# Altium PCB SVPX_FMC_6U_SOM.PcbDoc (part 8 of 9) (continued)
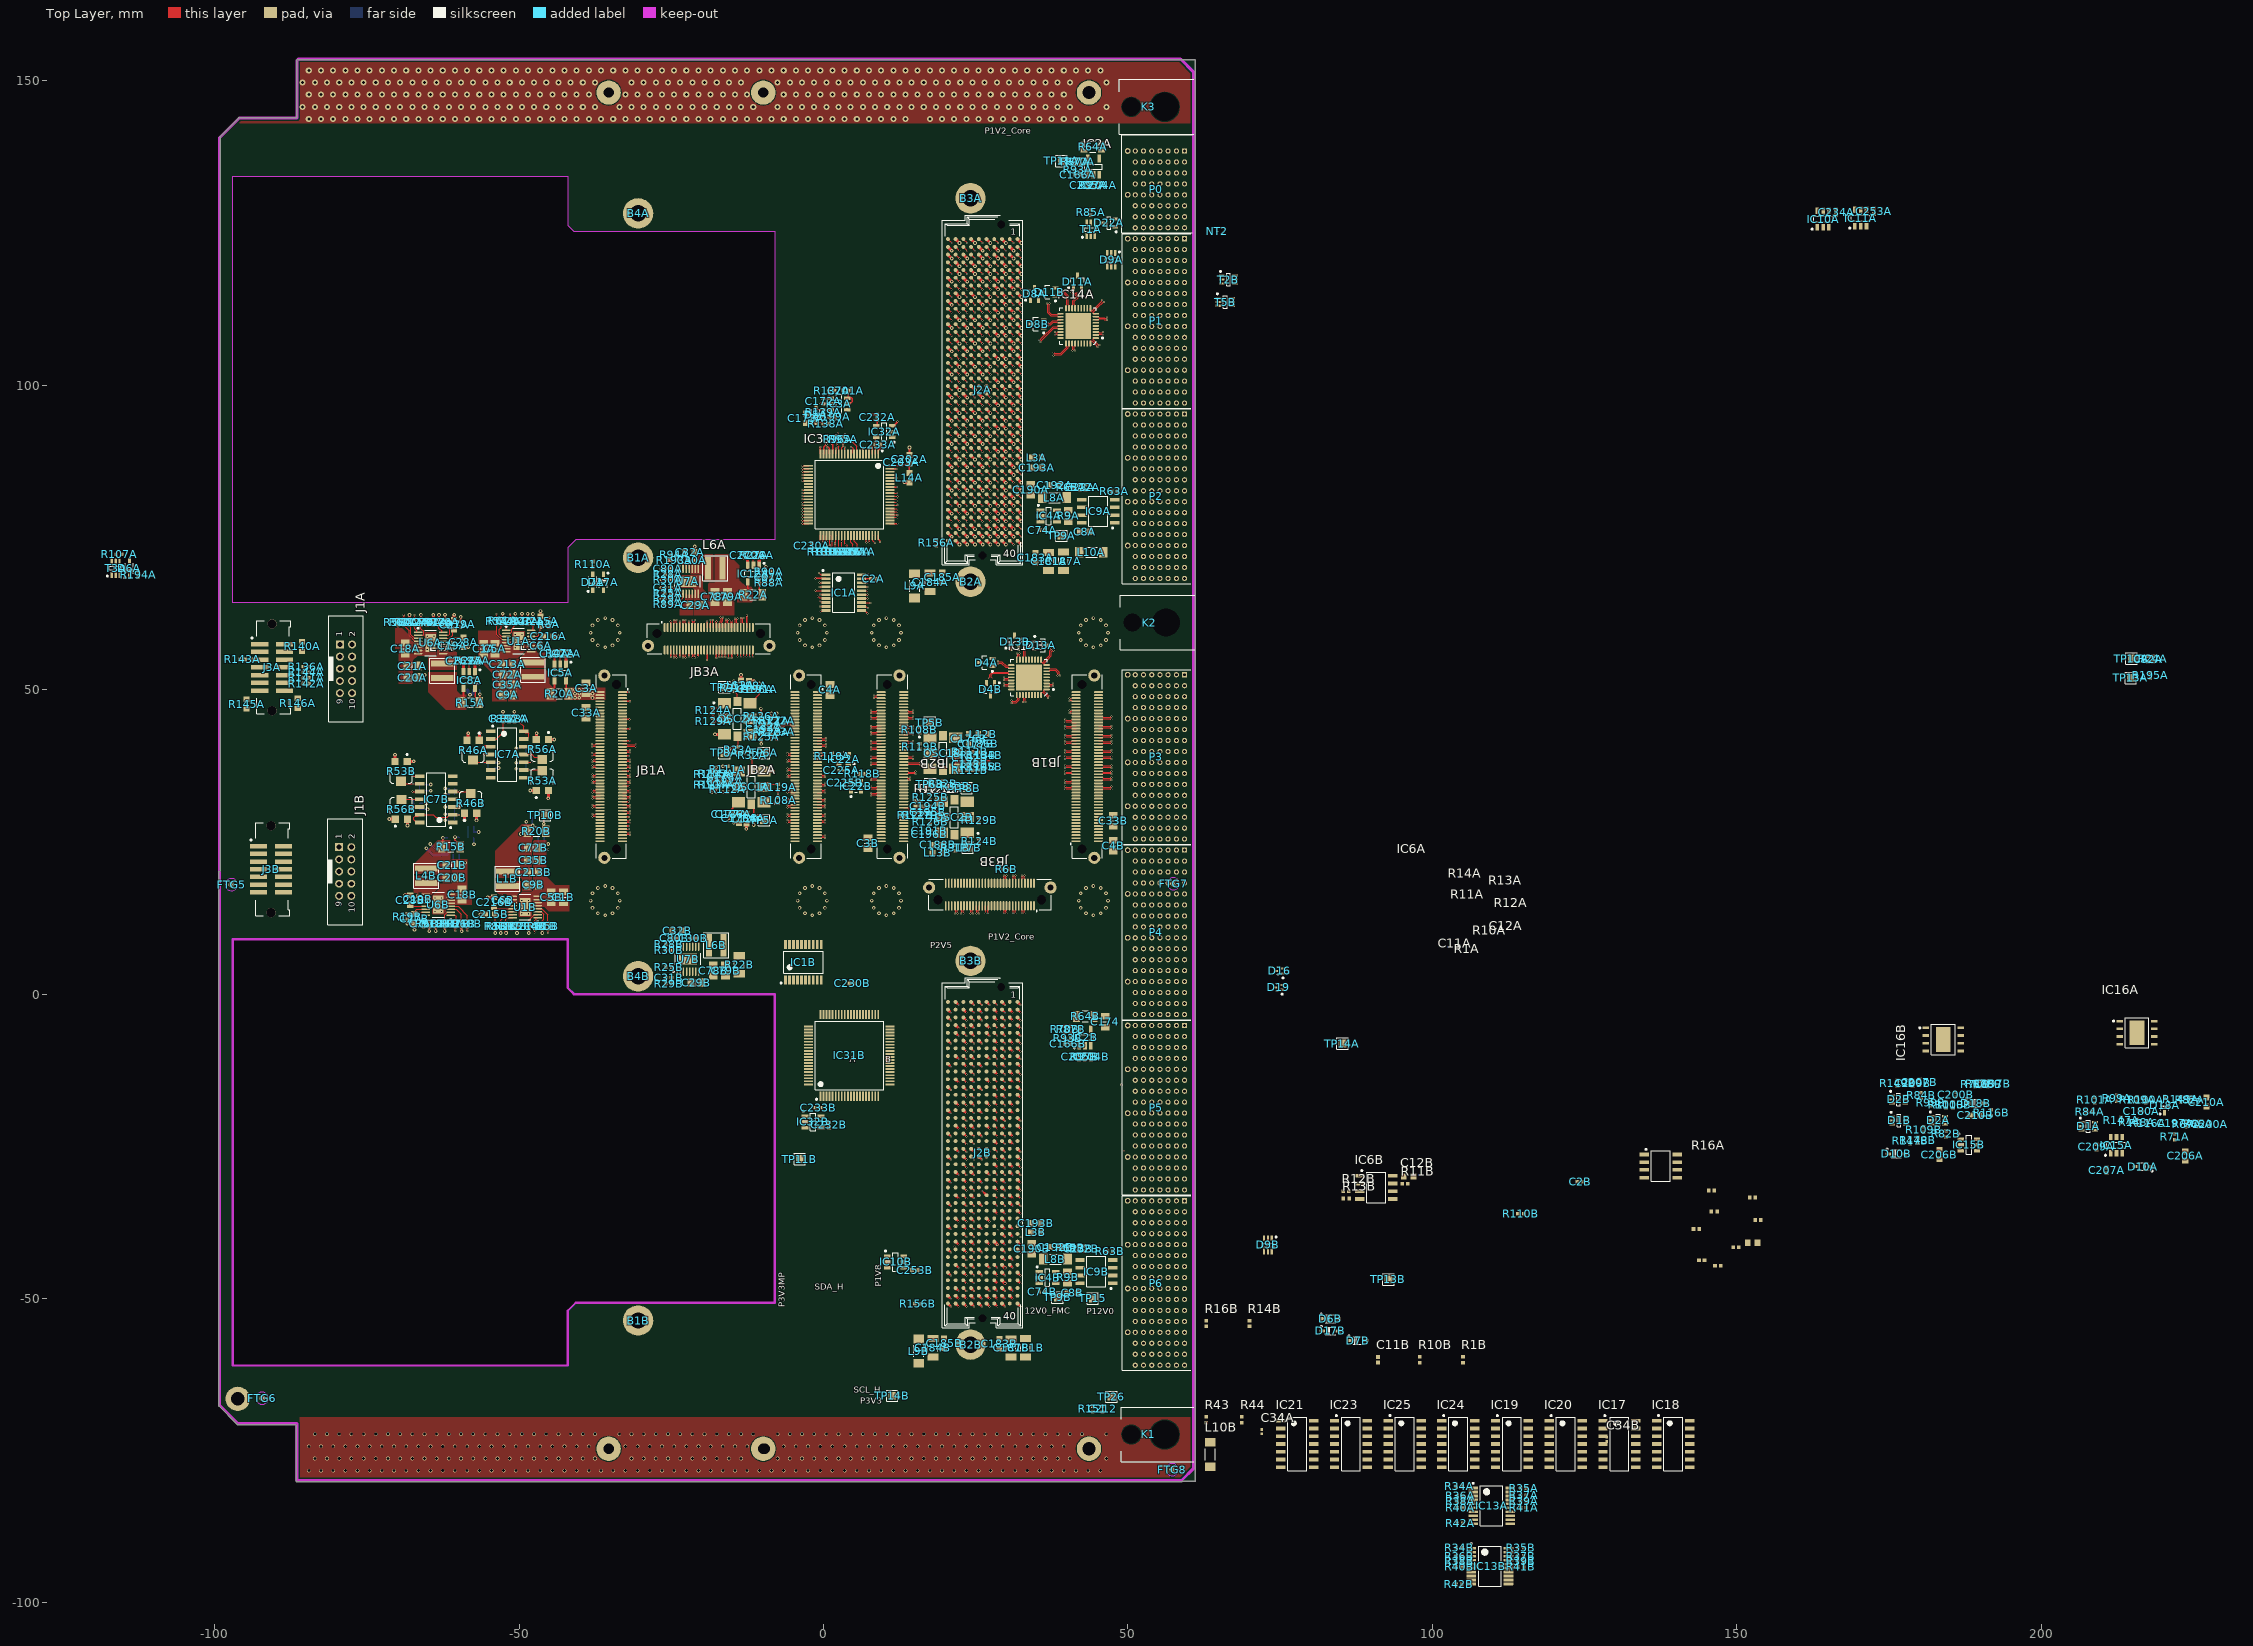
[diagram p0: Top Layer view]
## Nets (pads, with @x,y where several pads share a name; then routed paths per layer and width w, separated by ;. In a path a pad name is that pad's centre, name@x,y a point inside that pad or via, vN(x,y) a via of type N, cw(c..) or ccw(c..) an arc to the next point about the centre after c; other vN are vias at no path point) (continued)
  other v5: -84.535,-78.283 -82.535,-78.283 -80.535,-78.283 -78.535,-78.283 -76.535,-78.283 -74.535,-78.283 -72.535,-78.283 -70.535,-78.283 -68.535,-78.283 -66.535,-78.283 -64.535,-78.283 -62.535,-78.283 -60.535,-78.283 -58.535,-78.283 -56.535,-78.283 -54.535,-78.283 -52.535,-78.283 -50.535,-78.283 -48.535,-78.283 -46.534,-78.283 -44.534,-78.283 -42.534,-78.283 -40.534,-78.283 -38.534,-78.283 -36.534,-78.283 -34.534,-78.283 -32.534,-78.283 -30.534,-78.283 -28.534,-78.283 -26.534,-78.283 -24.534,-78.283 -22.534,-78.283 -20.534,-78.283 -18.534,-78.283 -16.534,-78.283 -14.534,-78.283 -12.534,-78.283 -10.534,-78.283 -8.534,-78.283 -6.534,-78.283 -4.534,-78.283 -2.534,-78.283 -0.534,-78.283 1.466,-78.283 3.466,-78.283 5.466,-78.283 7.466,-78.283 9.466,-78.283 11.466,-78.283 13.466,-78.283 15.466,-78.283 17.466,-78.283 19.466,-78.283 21.466,-78.283 23.466,-78.283 25.466,-78.283 27.466,-78.283 29.466,-78.283 31.466,-78.283 33.466,-78.283 35.466,-78.283 37.466,-78.283 39.466,-78.283 41.466,-78.283 43.466,-78.283 45.466,-78.283 -83.535,-76.283 -81.535,-76.283 -79.535,-76.283 -77.535,-76.283 -75.535,-76.283 -73.535,-76.283 -71.535,-76.283 -69.535,-76.283 -67.535,-76.283 -65.535,-76.283 -63.535,-76.283 -61.535,-76.283 -59.535,-76.283 -57.535,-76.283 -55.535,-76.283 -53.535,-76.283 -51.535,-76.283 -49.535,-76.283 -47.534,-76.283 -45.534,-76.283 -43.534,-76.283 -41.534,-76.283 -39.534,-76.283 -37.534,-76.283 -31.534,-76.283 -29.534,-76.283 -27.534,-76.283 -25.534,-76.283 -23.534,-76.283 -21.534,-76.283 -19.534,-76.283 -17.534,-76.283 -15.534,-76.283 -13.534,-76.283 -7.534,-76.283 -5.534,-76.283 -3.534,-76.283 -1.534,-76.283 0.466,-76.283 2.466,-76.283 4.466,-76.283 6.466,-76.283 8.466,-76.283 10.466,-76.283 12.466,-76.283 14.466,-76.283 16.466,-76.283 18.466,-76.283 20.466,-76.283 22.466,-76.283 24.466,-76.283 26.466,-76.283 28.466,-76.283 30.466,-76.283 32.466,-76.283 34.466,-76.283 36.466,-76.283 38.466,-76.283 40.466,-76.283 46.466,-76.283 -84.535,-74.283 -82.535,-74.283 -80.535,-74.283 -78.535,-74.283 -76.535,-74.283 -74.535,-74.283 -72.535,-74.283 -70.535,-74.283 -68.535,-74.283 -66.535,-74.283 -64.535,-74.283 -62.535,-74.283 -60.535,-74.283 -58.535,-74.283 -56.535,-74.283 -54.535,-74.283 -52.535,-74.283 -50.535,-74.283 -48.535,-74.283 -46.534,-74.283 -44.534,-74.283 -42.534,-74.283 -40.534,-74.283 -38.534,-74.283 -32.534,-74.283 -30.534,-74.283 -28.534,-74.283 -26.534,-74.283 -24.534,-74.283 -22.534,-74.283 -20.534,-74.283 -18.534,-74.283 -16.534,-74.283 -14.534,-74.283 -12.534,-74.283 -6.534,-74.283 -4.534,-74.283 -2.534,-74.283 -0.534,-74.283 1.466,-74.283 3.466,-74.283 5.466,-74.283 7.466,-74.283 9.466,-74.283 11.466,-74.283 13.466,-74.283 15.466,-74.283 17.466,-74.283 19.466,-74.283 21.466,-74.283 23.466,-74.283 25.466,-74.283 27.466,-74.283 29.466,-74.283 31.466,-74.283 33.466,-74.283 35.466,-74.283 37.466,-74.283 39.466,-74.283 -83.535,-72.283 -81.535,-72.283 -79.535,-72.283 -77.535,-72.283 -75.535,-72.283 -73.535,-72.283 -71.535,-72.283 -69.535,-72.283 -67.535,-72.283 -65.535,-72.283 -63.535,-72.283 -61.535,-72.283 -59.535,-72.283 -57.535,-72.283 -55.535,-72.283 -53.535,-72.283 -51.535,-72.283 -49.535,-72.283 -47.534,-72.283 -45.534,-72.283 -43.534,-72.283 -41.534,-72.283 -39.534,-72.283 -37.534,-72.283 -33.534,-72.283 -31.534,-72.283 -29.534,-72.283 -27.534,-72.283 -25.534,-72.283 -23.534,-72.283 -21.534,-72.283 -19.534,-72.283 -17.534,-72.283 -15.534,-72.283 -13.534,-72.283 -11.534,-72.283 -7.534,-72.283 -5.534,-72.283 -3.534,-72.283 -1.534,-72.283 0.466,-72.283 2.466,-72.283 4.466,-72.283 6.466,-72.283 8.466,-72.283 10.466,-72.283 12.466,-72.283 14.466,-72.283 16.466,-72.283 18.466,-72.283 20.466,-72.283 22.466,-72.283 24.466,-72.283 26.466,-72.283 28.466,-72.283 30.466,-72.283 32.466,-72.283 34.466,-72.283 36.466,-72.283 38.466,-72.283 40.466,-72.283 42.466,-72.283 46.466,-72.283
SM0: D21.2 IC19.8 IC20.8 P0.B5
SM0_A: IC19.9 IC31A.52 R161A.2 | length 2.4
  Top Layer w0.127: IC31A.52@5,75.325 5.016,75.309 5.016,74.384 5.561,73.839 R161A.2@5.561,73.145
SM0_B: IC20.9 IC31B.52 R161B.2
SM1: D21.1 IC19.11 IC20.11 P0.A5
SM1_A: IC19.10 IC31A.51 R160A.2 | length 2.3
  Top Layer w0.127: IC31A.51@4.5,75.325 4.5,74.189 4.811,73.878 R160A.2@4.811,73.145
SM1_B: IC20.10 IC31B.51 R160B.2
SM2: D16.1 IC21.1 IC23.1 P0.G4
SM2_A: C173A.2 IC21.2
SM2_B: C173B.2 IC23.2
SM3: D16.2 IC21.4 IC23.4 P0.F4
SM3_A: IC21.3 IC31A.56 | length 1.2
  Top Layer w0.127: IC31A.56@7,75.325 7.05,75.275 7.05,74.23 v1(7.087,74.193)
SM3_B: IC23.3 IC31B.56
SPI0_FLASH_SCKA: IC16A.6 R71A.2 R100A.1
SPI0_FLASH_SCKB: IC16B.6 R71B.2 R100B.1
SPI0_FLASH_SDIA: R67A.2 R109A.1
SPI0_FLASH_SDIB: R67B.2 R109B.1
SPI0_FLASH_SDOA: IC16A.2 R101A.1
SPI0_FLASH_SDOB: IC16B.2 R101B.1
SPI0_FLASH_SSA: IC16A.1 R66A.1 R99A.1
SPI0_FLASH_SSB: IC16B.1 R66B.1 R99B.1
SPI_ENA: JB1A.27
SPI_ENB: JB1B.27
SPI_M/S#A: JB1A.31
SPI_M/S#B: JB1B.31
SPI_S_MISOA: IC1A.20 JB1A.94 | length 71.9
  Top Layer w0.127: IC1A.20@6.212,68.855 6.242,68.885 v1(7.29,68.885)
  L2 w0.127: -28.499,28.269 -23.493,28.269 -21.785,26.56 -6.308,26.56 -4.064,28.804 -4.064,30.224 -2.183,32.106 -2.183,37.307 -1.649,37.841 -1.649,48.82 4.75,55.22 4.75,62.23 5.361,62.841 5.361,66.269 5.715,66.623 5.715,67.31 v1(7.29,68.885)
SPI_S_MISOB: IC1B.20 JB1B.94
SPI_S_MOSIA: IC1A.18 JB1A.92 | length 70.9
  Top Layer w0.127: IC1A.18@6.212,67.555 6.221,67.564 v1(7.264,67.564)
  L2 w0.127: -28.499,28.042 -23.587,28.042 -21.879,26.333 -6.214,26.333 -3.837,28.71 -3.837,30.13 -1.956,32.012 -1.956,37.213 -1.422,37.747 -1.422,48.539 5.004,54.966 5.004,62.163 5.588,62.747 5.588,65.888 v1(7.264,67.564)
SPI_S_MOSIB: IC1B.18 JB1B.92
SPI_S_SCKA: IC1A.17 JB1A.88 | length 70.4
  Top Layer w0.127: IC1A.17@6.212,66.905 6.238,66.878 v1(7.239,66.878)
  L2 w0.127: -28.499,27.788 -23.693,27.788 -21.984,26.079 -6.308,26.079 -6.281,26.106 -6.12,26.106 -3.583,28.643 -3.583,30.063 -1.702,31.945 -1.702,37.108 -1.168,37.641 -1.168,48.184 5.41,54.762 5.41,62.21 5.842,62.642 5.842,65.38 6.96,66.497 6.96,66.599 v1(7.239,66.878)
SPI_S_SCKB: IC1B.17 JB1B.88
SPI_S_SSA: IC1A.16 JB1A.86 | length 70
  Top Layer w0.127: IC1A.16@6.212,66.255 6.226,66.269 v1(7.188,66.269)
  L2 w0.127: -28.499,27.559 -23.787,27.559 -22.079,25.85 -6.308,25.85 -6.306,25.852 -6.214,25.852 -6.187,25.879 -6.026,25.879 -3.354,28.55 -3.354,29.971 -1.473,31.852 -1.473,37.013 -0.94,37.547 -0.94,47.93 5.74,54.61 5.74,62.217 6.071,62.547 6.071,65.151 v1(7.188,66.269)
SPI_S_SSB: IC1B.16 JB1B.86
SpWA_DinA_N: D13A.2 IC14B.15 JB2A.33 | length 47.9
  Top Layer w0.118: JB2A.33@-1,41.6 -0.367,41.6 -0.24,41.728 0.239,41.728 0.326,41.64 v1(0.381,41.64) ; IC14B.15@33.247,54.924 33.247,55.331 33.12,55.459 33.12,55.625 33.12,56.437 33.616,56.933 33.843,56.933
  L1 w0.078: v1(0.381,41.64) 0.446,41.64 0.542,41.736 0.753,41.736 1.625,42.608 1.625,46.532 10.287,55.194 14.446,55.194 18.18,58.928 29.141,58.928 30.859,57.211 33.294,57.211 33.564,56.941 33.824,56.941 33.92,56.845 v1(33.985,56.845)
SpWA_DinA_P: D13A.1 IC14B.16 JB2A.31 | length 48.5
  Top Layer w0.118: JB2A.31@-1,42.1 -0.367,42.1 -0.24,41.972 0.239,41.972 0.326,42.06 v1(0.381,42.06) ; IC14B.16@32.747,54.924 32.747,55.331 32.875,55.459 32.875,55.727 32.875,56.538 33.514,57.178 33.843,57.178 33.93,57.265 v1(33.985,57.265)
  L1 w0.078: v1(0.381,42.06) 0.446,42.06 0.542,41.964 0.658,41.964 1.397,42.703 1.397,46.627 10.192,55.422 14.351,55.422 18.085,59.157 29.235,59.157 30.953,57.439 33.389,57.439 33.658,57.169 33.824,57.169 33.92,57.265 v1(33.985,57.265)
SpWA_DinB_N: D13B.2 IC14B.17 JB2B.33 | length 49.4
  Top Layer w0.118: v1(7.772,33.06) 7.827,33.06 7.915,32.972 8.548,32.972 8.715,32.972 8.842,33.1 JB2B.33@9.475,33.1 ; v1(32.207,55.931) 32.207,55.876 32.12,55.788 32.12,55.459 32.247,55.331 IC14B.17@32.247,54.924
  L1 w0.078: v1(7.772,33.06) 7.707,33.06 7.611,32.964 7.445,32.964 6.198,34.212 6.198,48.844 11.151,53.797 26.264,53.797 26.898,53.163 29.94,53.163 31.746,54.969 ; 31.762,54.985 32.111,55.334 32.111,55.77 32.207,55.865 v1(32.207,55.931)
SpWA_DinB_P: D13B.1 IC14B.18 JB2B.31 | length 49.8
  Top Layer w0.118: v1(7.772,32.64) 7.827,32.64 7.915,32.728 8.447,32.728 8.715,32.728 8.842,32.6 JB2B.31@9.475,32.6 ; IC14B.18@31.747,54.924 31.747,55.331 31.875,55.459 31.875,55.788 31.787,55.876 v1(31.787,55.931)
  L1 w0.078: v1(7.772,32.64) 7.707,32.64 7.611,32.736 7.351,32.736 5.969,34.117 5.969,48.939 11.056,54.025 26.358,54.025 26.993,53.391 29.845,53.391 31.883,55.429 31.883,55.77 31.787,55.865 v1(31.787,55.931)
SpWA_DoutA_N: IC14B.23 JB1A.42 | length 103.3
  Top Layer w0.118: v1(-37.998,39.56) -37.944,39.56 -37.856,39.472 -37.627,39.472 -37.46,39.472 -37.333,39.6 JB1A.42@-36.7,39.6 ; v1(29.667,51.984) 29.722,51.984 29.81,51.896 30.312,51.896 30.44,52.024 IC14B.23@30.847,52.024
  L2 w0.078: v1(-37.998,39.56) -37.933,39.56 -37.837,39.464 -37.313,39.464 -36.247,38.398 -36.247,28.144 -32.893,24.79 -3.404,24.79 -1.271,26.923 2.844,26.923 5.817,29.896 5.817,46.194 7.449,47.827 24.612,47.827 28.672,51.887 29.506,51.887 29.602,51.984 v1(29.667,51.984)
SpWA_DoutA_P: IC14B.24 JB1A.44 | length 103.3
  Top Layer w0.118: v1(-37.998,39.14) -37.944,39.14 -37.856,39.228 -37.728,39.228 -37.46,39.228 -37.333,39.1 JB1A.44@-36.7,39.1 ; v1(29.667,51.564) 29.722,51.564 29.81,51.651 30.312,51.651 30.44,51.524 IC14B.24@30.847,51.524
  L2 w0.078: v1(-37.998,39.14) -37.933,39.14 -37.837,39.236 -37.407,39.236 -36.474,38.303 -36.474,28.05 -32.987,24.563 -3.309,24.563 -1.177,26.695 2.938,26.695 6.044,29.801 6.044,46.1 7.544,47.6 24.706,47.6 28.766,51.66 29.506,51.66 29.602,51.564 v1(29.667,51.564)
SpWA_DoutB_N: IC14B.25 JB1B.42 | length 40.1
  Top Layer w0.118: v1(29.667,50.984) 29.722,50.984 29.81,50.896 30.312,50.896 30.44,51.024 IC14B.25@30.847,51.024 ; JB1B.42@45.175,35.1 45.808,35.1 45.935,35.228 47.152,35.228 47.24,35.14 v1(47.295,35.14)
  L2 w0.078: v1@29.602,50.984 v1(29.667,50.984) 29.733,50.984 29.829,50.887 30.038,50.887 30.302,50.623 30.302,50.097 29.362,49.157 29.362,47.879 30.861,46.38 39.438,46.38 40.445,45.373 42.757,45.373 44.348,46.964 47.364,46.964 48.335,45.992 48.335,35.669 47.903,35.236 47.456,35.236 47.36,35.14 v1(47.295,35.14)
SpWA_DoutB_P: IC14B.26 JB1B.44 | length 39.4
  Top Layer w0.118: v1(29.667,50.564) 29.722,50.564 29.81,50.651 30.312,50.651 30.44,50.524 IC14B.26@30.847,50.524 ; JB1B.44@45.175,35.6 45.808,35.6 45.935,35.472 47.152,35.472 47.24,35.56 v1(47.295,35.56)
  L2 w0.078: v1@29.602,50.564 v1(29.667,50.564) 29.733,50.564 29.829,50.66 29.944,50.66 30.074,50.529 30.074,50.191 29.135,49.251 29.135,47.785 30.767,46.153 39.344,46.153 40.351,45.145 42.851,45.145 44.442,46.736 47.269,46.736 48.108,45.898 48.108,35.763 47.808,35.464 47.456,35.464 47.36,35.56 v1(47.295,35.56)
SpWA_SinA_N: D4A.2 IC14B.19 JB2A.37 | length 44.2
  Top Layer w0.118: JB2A.37@-1,40.6 -0.367,40.6 -0.24,40.728 0.239,40.728 0.326,40.64 v1(0.381,40.64) ; v1(28.651,54.7) 28.706,54.7 28.794,54.612 29.284,54.612 30,53.896 30.312,53.896 30.44,54.024 IC14B.19@30.847,54.024
  L1 w0.078: v1(0.381,40.64) 0.446,40.64 0.542,40.736 0.927,40.736 2.26,42.069 2.26,46.202 10.566,54.508 16.198,54.508 17.849,56.159 29.007,56.159 29.667,55.499 29.667,55.016 29.255,54.604 28.812,54.604 28.717,54.7 v1(28.651,54.7)
SpWA_SinA_P: D4A.1 IC14B.20 JB2A.35 | length 44.9
  Top Layer w0.118: JB2A.35@-1,41.1 -0.367,41.1 -0.24,40.972 0.239,40.972 0.326,41.06 v1(0.381,41.06) ; v1(28.651,54.28) 28.706,54.28 28.794,54.367 29.183,54.367 29.899,53.651 30.312,53.651 30.44,53.524 IC14B.20@30.847,53.524
  L1 w0.078: v1(0.381,41.06) 0.446,41.06 0.542,40.964 0.832,40.964 2.032,42.164 2.032,46.297 10.472,54.737 16.103,54.737 17.754,56.388 29.101,56.388 29.895,55.594 29.895,54.922 29.349,54.376 28.812,54.376 28.717,54.28 v1(28.651,54.28)
SpWA_SinB_N: D4B.2 IC14B.21 JB2B.37 | length 43.8
  Top Layer w0.118: v1(7.772,34.06) 7.827,34.06 7.915,33.972 8.548,33.972 8.715,33.972 8.842,34.1 JB2B.37@9.475,34.1 ; v1(27.215,51.867) 27.215,51.922 27.303,52.009 27.303,52.465 27.734,52.896 30.312,52.896 30.44,53.024 IC14B.21@30.847,53.024
  L1 w0.078: v1(7.772,34.06) 7.707,34.06 7.611,33.964 7.445,33.964 6.985,34.424 6.985,48.489 8.204,49.708 20.218,49.708 22.962,52.451 27.102,52.451 27.311,52.242 27.311,52.028 27.215,51.932 v1(27.215,51.867)
SpWA_SinB_P: D4B.1 IC14B.22 JB2B.35 | length 44.5
  Top Layer w0.118: v1(7.772,33.64) 7.827,33.64 7.915,33.728 8.447,33.728 8.715,33.728 8.842,33.6 JB2B.35@9.475,33.6 ; v1(27.635,51.867) 27.635,51.922 27.548,52.009 27.548,52.363 27.835,52.651 30.312,52.651 30.44,52.524 IC14B.22@30.847,52.524
  L1 w0.078: v1(7.772,33.64) 7.707,33.64 7.611,33.736 7.351,33.736 6.757,34.33 6.757,48.583 8.11,49.936 20.124,49.936 22.867,52.679 27.196,52.679 27.539,52.336 27.539,52.028 27.635,51.932 v1(27.635,51.867)
SpWA_SoutA_N: IC14B.28 JB1A.36 | length 114.4
  Top Layer w0.118: v1(-37.998,41.06) -37.944,41.06 -37.856,40.972 -37.627,40.972 -37.46,40.972 -37.333,41.1 JB1A.36@-36.7,41.1 ; v1(30.861,48.209) 30.916,48.209 31.003,48.122 31.575,48.122 31.875,48.422 31.875,48.588 31.747,48.716 IC14B.28@31.747,49.124
  L2 w0.078: v1(-37.998,41.06) -37.933,41.06 -37.837,40.964 -36.984,40.964 -35.154,39.134 -35.154,28.449 -32.106,25.4 -6.13,25.4 -6.13,25.65 -5.982,25.502 -4.242,25.502 -2.134,27.609 2.107,27.609 4.775,30.277 4.775,47.896 7.068,50.19 9.01,50.19 9.771,49.428 21.234,49.428 24.764,52.958 31.108,52.958 31.902,52.164 31.902,50.553 30.124,48.776 30.124,48.26 30.271,48.113 30.699,48.113 30.795,48.209 v1(30.861,48.209)
SpWA_SoutA_P: IC14B.29 JB1A.38 | length 114.5
  Top Layer w0.118: v1(-37.998,40.64) -37.944,40.64 -37.856,40.728 -37.728,40.728 -37.46,40.728 -37.333,40.6 JB1A.38@-36.7,40.6 ; v1(30.861,47.789) 30.916,47.789 31.003,47.877 31.676,47.877 32.12,48.32 32.12,48.588 32.247,48.716 IC14B.29@32.247,49.124
  L2 w0.078: v1(-37.998,40.64) -37.933,40.64 -37.837,40.736 -37.079,40.736 -35.382,39.04 -35.382,28.355 -32.2,25.172 -6.035,25.172 -5.934,25.274 -4.147,25.274 -2.04,27.381 2.202,27.381 5.003,30.182 5.003,47.802 7.163,49.962 8.915,49.962 9.677,49.201 21.329,49.201 24.858,52.73 31.013,52.73 31.674,52.07 31.674,50.648 29.897,48.87 29.897,48.166 30.177,47.885 30.699,47.885 30.795,47.789 v1(30.861,47.789)
SpWA_SoutB_N: IC14B.30 JB1B.36 | length 36.1
  Top Layer w0.118: IC14B.30@32.747,49.124 32.747,48.716 32.875,48.588 32.875,48.098 32.787,48.01 v1(32.787,47.955) ; JB1B.36@45.175,33.6 45.808,33.6 45.935,33.728 47.152,33.728 47.24,33.64 v1(47.295,33.64)
  L2 w0.078: v1(32.787,47.955) 32.787,48.021 32.883,48.117 32.883,48.547 33.357,49.021 34.562,49.021 36.016,47.568 42.462,47.568 43.255,48.361 47.618,48.361 49.021,46.957 49.021,35.092 47.666,33.736 47.456,33.736 47.36,33.64 v1(47.295,33.64)
SpWA_SoutB_P: IC14B.31 JB1B.38 | length 35
  Top Layer w0.118: v1(33.207,47.955) 33.207,48.01 33.12,48.098 33.12,48.588 33.247,48.716 IC14B.31@33.247,49.124 ; JB1B.38@45.175,34.1 45.808,34.1 45.935,33.972 47.152,33.972 47.24,34.06 v1(47.295,34.06)
  L2 w0.078: v1(33.207,47.955) 33.207,48.021 33.111,48.117 33.111,48.453 33.452,48.793 34.468,48.793 35.921,47.34 42.557,47.34 43.35,48.133 47.523,48.133 48.793,46.863 48.793,35.186 47.571,33.964 47.456,33.964 47.36,34.06 v1(47.295,34.06)
SpWAA_DinA_N: D11A.2 IC14A.15 JB3A.49 | length 104.9
  Top Layer w0.118: v1(-14.14,61.671) -14.14,61.616 -14.227,61.529 -14.227,60.96 -14.1,60.833 JB3A.49@-14.1,60.2 ; IC14A.15@41.332,112.646 41.332,113.054 41.205,113.181 41.205,113.773 41.836,114.404 41.836,114.704 41.601,114.939 41.526,114.939 41.442,115.022 41.442,115.12 41.511,115.189 v1(41.924,115.189)
  L3 w0.078: v1(-14.14,61.671) -14.14,61.606 -14.236,61.51 -14.236,61.251 -13.945,60.96 -13.183,60.96 -9.938,64.204 3.175,64.204 3.442,63.938 28.378,63.938 34.188,69.748 34.188,109.144 38.353,113.309 40.056,113.309
SpWAA_DinA_P: D11A.1 IC14A.16 JB3A.47 | length 105.3
  Top Layer w0.118: JB3A.47@-14.6,60.2 -14.6,60.833 -14.472,60.96 -14.472,61.529 -14.56,61.616 v1(-14.56,61.671) ; v1(40.716,115.189) 41.128,115.189 41.197,115.12 41.197,114.921 41.424,114.694 41.5,114.694 41.591,114.603 41.591,114.505 40.96,113.874 40.96,113.181 40.832,113.054 IC14A.16@40.832,112.646
  L3 w0.078: v1(-14.56,61.671) -14.56,61.606 -14.463,61.51 -14.463,61.157 -14.039,60.732 -13.088,60.732 -9.844,63.977 3.081,63.977 3.347,63.71 28.472,63.71 34.416,69.654 34.416,109.049 38.447,113.081 40.056,113.081
SpWAA_DoutA_N: IC14A.23 JB3A.43 | length 100.3
  Top Layer w0.118: JB3A.43@-15.6,60.2 -15.6,60.833 -15.727,60.96 -15.727,61.333 -15.596,61.464 v1(-15.596,61.519) ; v1(35.365,107.383) 35.403,107.422 35.527,107.422 35.956,107.851 37.724,109.619 38.397,109.619 38.525,109.746 IC14A.23@38.932,109.746
  L3 w0.078: v1(-15.596,61.519) -15.596,61.454 -15.698,61.352 -15.698,60.859 -14.986,60.147 -12.725,60.147 -9.506,63.366 3.157,63.366 3.449,63.074 7.414,63.074 7.48,63.14 29.485,63.14 35.002,68.657 35.002,106.885 35.318,107.201 35.318,107.337 v1(35.365,107.383)
SpWAA_DoutA_P: IC14A.24 JB3A.41 | length 100.6
  Top Layer w0.118: JB3A.41@-16.1,60.2 -16.1,60.833 -15.972,60.96 -15.972,61.323 -15.989,61.34 -15.989,61.455 v1(-16.027,61.493) ; v1(35.662,107.086) 35.7,107.125 35.7,107.249 36.201,107.749 37.825,109.374 38.397,109.374 38.525,109.246 IC14A.24@38.932,109.246
  L3 w0.078: v1(-16.027,61.493) -16.027,61.429 -15.925,61.327 -15.925,60.765 -15.08,59.919 -12.631,59.919 -9.412,63.138 3.063,63.138 3.355,62.846 7.508,62.846 7.574,62.913 29.58,62.913 35.23,68.563 35.23,106.791 35.479,107.04 35.615,107.04 v1(35.662,107.086)
SpWAA_SinA_N: D8A.2 IC14A.19 JB3A.53 | length 99.3
  Top Layer w0.118: v1(-13.14,61.773) -13.14,61.718 -13.227,61.63 -13.227,61.127 -13.227,60.96 -13.1,60.833 JB3A.53@-13.1,60.2 ; v1(37.135,113.436) 37.135,113.382 37.047,113.294 37.047,112 37.429,111.619 38.397,111.619 38.525,111.746 IC14A.19@38.932,111.746
  L3 w0.078: v1(-13.14,61.773) -13.14,61.838 -13.236,61.934 -13.236,62.362 -10.795,64.802 -0.722,64.802 -0.709,64.815 3.099,64.815 3.467,64.447 7.484,64.447 7.632,64.595 12.949,64.595 18.915,70.561 31.208,70.561 33.579,72.932 33.579,108.941 33.579,109.575 37.039,113.035 37.039,113.275 37.135,113.371 v1(37.135,113.436)
SpWAA_SinA_P: D8A.1 IC14A.20 JB3A.51 | length 99.7
  Top Layer w0.118: JB3A.51@-13.6,60.2 -13.6,60.833 -13.472,60.96 -13.472,61.228 -13.472,61.63 -13.56,61.718 v1(-13.56,61.773) ; v1(36.715,113.436) 36.715,113.382 36.802,113.294 36.802,111.899 37.327,111.374 38.397,111.374 38.525,111.246 IC14A.20@38.932,111.246
  L3 w0.078: v1(-13.56,61.773) -13.56,61.838 -13.463,61.934 -13.463,62.456 -10.89,65.03 -0.816,65.03 -0.803,65.043 3.193,65.043 3.561,64.674 7.389,64.674 7.538,64.823 12.854,64.823 18.821,70.789 31.114,70.789 33.351,73.026 33.351,109.035 33.351,109.67 36.811,113.13 36.811,113.275 36.715,113.371 v1(36.715,113.436)
SpWAA_SoutA_N: IC14A.28 JB3A.39 | length 101.8
  Top Layer w0.118: JB3A.39@-16.6,60.2 -16.6,60.833 -16.727,60.96 -16.727,61.127 -16.578,61.276 -16.578,61.701 -16.485,61.794 v1(-16.485,61.849) ; v1(37.795,105.334) 37.85,105.334 37.938,105.246 38.983,105.246 39.96,106.223 39.96,106.311 39.832,106.439 IC14A.28@39.832,106.846
  L3 w0.078: v1(-16.485,61.849) -16.485,61.784 -16.587,61.682 -16.587,60.148 -15.621,59.182 -12.446,59.182 -9.211,62.417 -0.866,62.417 -0.686,62.236 7.432,62.236 7.731,62.535 30.251,62.535 35.84,68.124 35.84,103.879 37.199,105.238 37.634,105.238 37.73,105.334 v1(37.795,105.334)
SpWAA_SoutA_P: IC14A.29 JB3A.37 | length 102.6
  Top Layer w0.118: JB3A.37@-17.1,60.2 -17.1,60.833 -16.972,60.96 -16.972,61.228 -16.823,61.377 -16.823,61.701 -16.916,61.794 v1(-16.916,61.849) ; v1(37.795,104.914) 37.85,104.914 37.938,105.001 39.085,105.001 40.205,106.121 40.205,106.311 40.332,106.439 IC14A.29@40.332,106.846
  L3 w0.078: v1(-16.916,61.849) -16.916,61.784 -16.814,61.682 -16.814,60.053 -15.715,58.954 -12.352,58.954 -9.117,62.189 -0.961,62.189 -0.78,62.008 7.526,62.008 7.825,62.307 30.346,62.307 36.068,68.029 36.068,103.784 37.294,105.01 37.634,105.01 37.73,104.914 v1(37.795,104.914)
SpWB_DinB_N: D11B.2 IC14A.17 JB3B.49 | length 114.1
  Top Layer w0.118: JB3B.49@22.575,14.5 22.575,13.867 22.702,13.74 22.702,13.401 22.615,13.314 v1(22.615,13.259) ; v1(38.913,115.507) 38.968,115.507 39.055,115.42 39.46,115.42 40.205,114.675 40.205,113.181 40.332,113.054 IC14A.17@40.332,112.646
  L3 w0.078: v1(22.615,13.259) 22.615,13.324 22.711,13.42 22.711,16.962 25.248,19.499 25.248,34.993 31.446,41.192 31.446,48.515 34.532,51.601 34.532,63.81 38.633,67.911 38.633,102.024 39.422,102.812 39.422,106.12 38.76,106.782 37.557,106.782 36.733,107.605 36.733,108.785 38.989,111.041 38.989,112.624
SpWB_DinB_P: D11B.1 IC14A.18 JB3B.47 | length 113.7
  Top Layer w0.118: v1(23.035,13.259) 23.035,13.314 22.947,13.401 22.947,13.74 23.075,13.867 JB3B.47@23.075,14.5 ; v1(38.913,115.087) 38.968,115.087 39.055,115.175 39.359,115.175 39.96,114.574 39.96,113.181 39.832,113.054 IC14A.18@39.832,112.646
  L3 w0.078: v1(23.035,13.259) 23.035,13.324 22.938,13.42 22.938,16.868 25.475,19.405 25.475,34.899 31.674,41.097 31.674,48.421 34.76,51.507 34.76,63.716 38.861,67.817 38.861,101.929 39.649,102.718 39.649,106.215 38.855,107.009 37.651,107.009 36.961,107.699 36.961,108.691 39.217,110.946 39.217,112.624
SpWB_DoutB_N: IC14A.25 JB3B.43 | length 107.5
  Top Layer w0.118: JB3B.43@24.075,14.5 24.075,13.867 24.202,13.74 24.202,13.401 24.115,13.314 v1(24.115,13.259) ; v1(37.998,108.706) 38.053,108.706 38.141,108.619 38.397,108.619 38.525,108.746 IC14A.25@38.932,108.746
  L3 w0.078: v1(24.115,13.259) 24.115,13.324 24.211,13.42 24.211,16.684 26.264,18.737 26.264,34.307 32.462,40.506 32.462,45.67 35.281,48.489 35.281,63.162 39.387,67.268 39.387,100.313 40.716,101.643 40.716,104.174 40.146,104.744 40.146,106.742 39.421,107.467 37.727,107.467 37.339,107.856 37.339,108.321 37.627,108.61 37.837,108.61 37.933,108.706 v1(37.998,108.706)
SpWB_DoutB_P: IC14A.26 JB3B.41 | length 107.1
  Top Layer w0.118: v1(24.535,13.259) 24.535,13.314 24.447,13.401 24.447,13.74 24.575,13.867 JB3B.41@24.575,14.5 ; v1(37.998,108.286) 38.053,108.286 38.141,108.374 38.397,108.374 38.525,108.246 IC14A.26@38.932,108.246
  L3 w0.078: v1(24.535,13.259) 24.535,13.324 24.438,13.42 24.438,16.59 26.491,18.643 26.491,34.213 32.69,40.411 32.69,45.576 35.508,48.394 35.508,63.067 39.615,67.174 39.615,100.219 40.944,101.548 40.944,104.268 40.374,104.838 40.374,106.837 39.515,107.695 37.821,107.695 37.567,107.95 37.567,108.227 37.722,108.382 37.837,108.382 37.933,108.286 v1(37.998,108.286)
SpWB_SinB_N: D8B.2 IC14A.21 JB3B.53 | length 109.9
  Top Layer w0.118: JB3B.53@21.575,14.5 21.575,13.867 21.702,13.74 21.702,13.401 ; v1(36.855,110.261) 36.91,110.261 36.998,110.174 37.219,110.174 37.664,110.619 38.397,110.619 38.525,110.746 IC14A.21@38.932,110.746
  L3 w0.078: v1(21.615,13.259) 21.615,13.324 21.711,13.42 21.711,17.766 24.257,20.312 24.257,37.744 29.236,42.724 29.236,48.54 32.706,52.01 32.706,56.544 32.691,56.56 32.691,63.137 37.812,68.258 37.812,103.666 38.675,104.529 38.675,105.572 38.278,105.969 37.118,105.969 36.16,106.926 36.16,107.293 36.025,107.429 36.025,109.835 36.355,110.165 36.694,110.165 36.79,110.261 v1(36.855,110.261)
SpWB_SinB_P: D8B.1 IC14A.22 JB3B.51 | length 109.6
  Top Layer w0.118: 21.947,13.401 21.947,13.74 22.075,13.867 JB3B.51@22.075,14.5 ; v1(36.855,109.841) 36.91,109.841 36.998,109.929 37.32,109.929 37.765,110.374 38.397,110.374 38.525,110.246 IC14A.22@38.932,110.246
  L3 w0.078: v1(22.035,13.259) 22.035,13.324 21.938,13.42 21.938,17.671 24.485,20.218 24.485,37.65 29.464,42.629 29.464,48.446 32.934,51.916 32.934,56.638 32.918,56.654 32.918,63.043 38.04,68.164 38.04,103.572 38.903,104.435 38.903,105.666 38.372,106.197 37.212,106.197 36.388,107.02 36.388,107.387 36.253,107.523 36.253,109.741 36.449,109.938 36.694,109.938 36.79,109.841 v1(36.855,109.841)
SpWB_SoutB_N: IC14A.30 JB3B.39 | length 102.6
  Top Layer w0.118: JB3B.39@25.075,14.5 25.075,13.867 25.202,13.74 25.202,13.401 25.115,13.314 v1(25.115,13.259) ; IC14A.30@40.832,106.846 40.832,106.439 40.96,106.311 40.96,105.857 40.872,105.77 v1(40.872,105.715)
  L3 w0.078: v1(25.115,13.259) 25.115,13.324 25.211,13.42 25.211,15.525 27.28,17.594 27.28,33.875 33.173,39.769 33.173,44.908 36.068,47.803 36.068,62.628 40.555,67.115 40.555,90.542 42.189,92.177 42.189,104.123 40.969,105.344 40.969,105.553 40.872,105.649 v1(40.872,105.715)